# KiCad board 6502-ACE.kicad_pcb (continued)
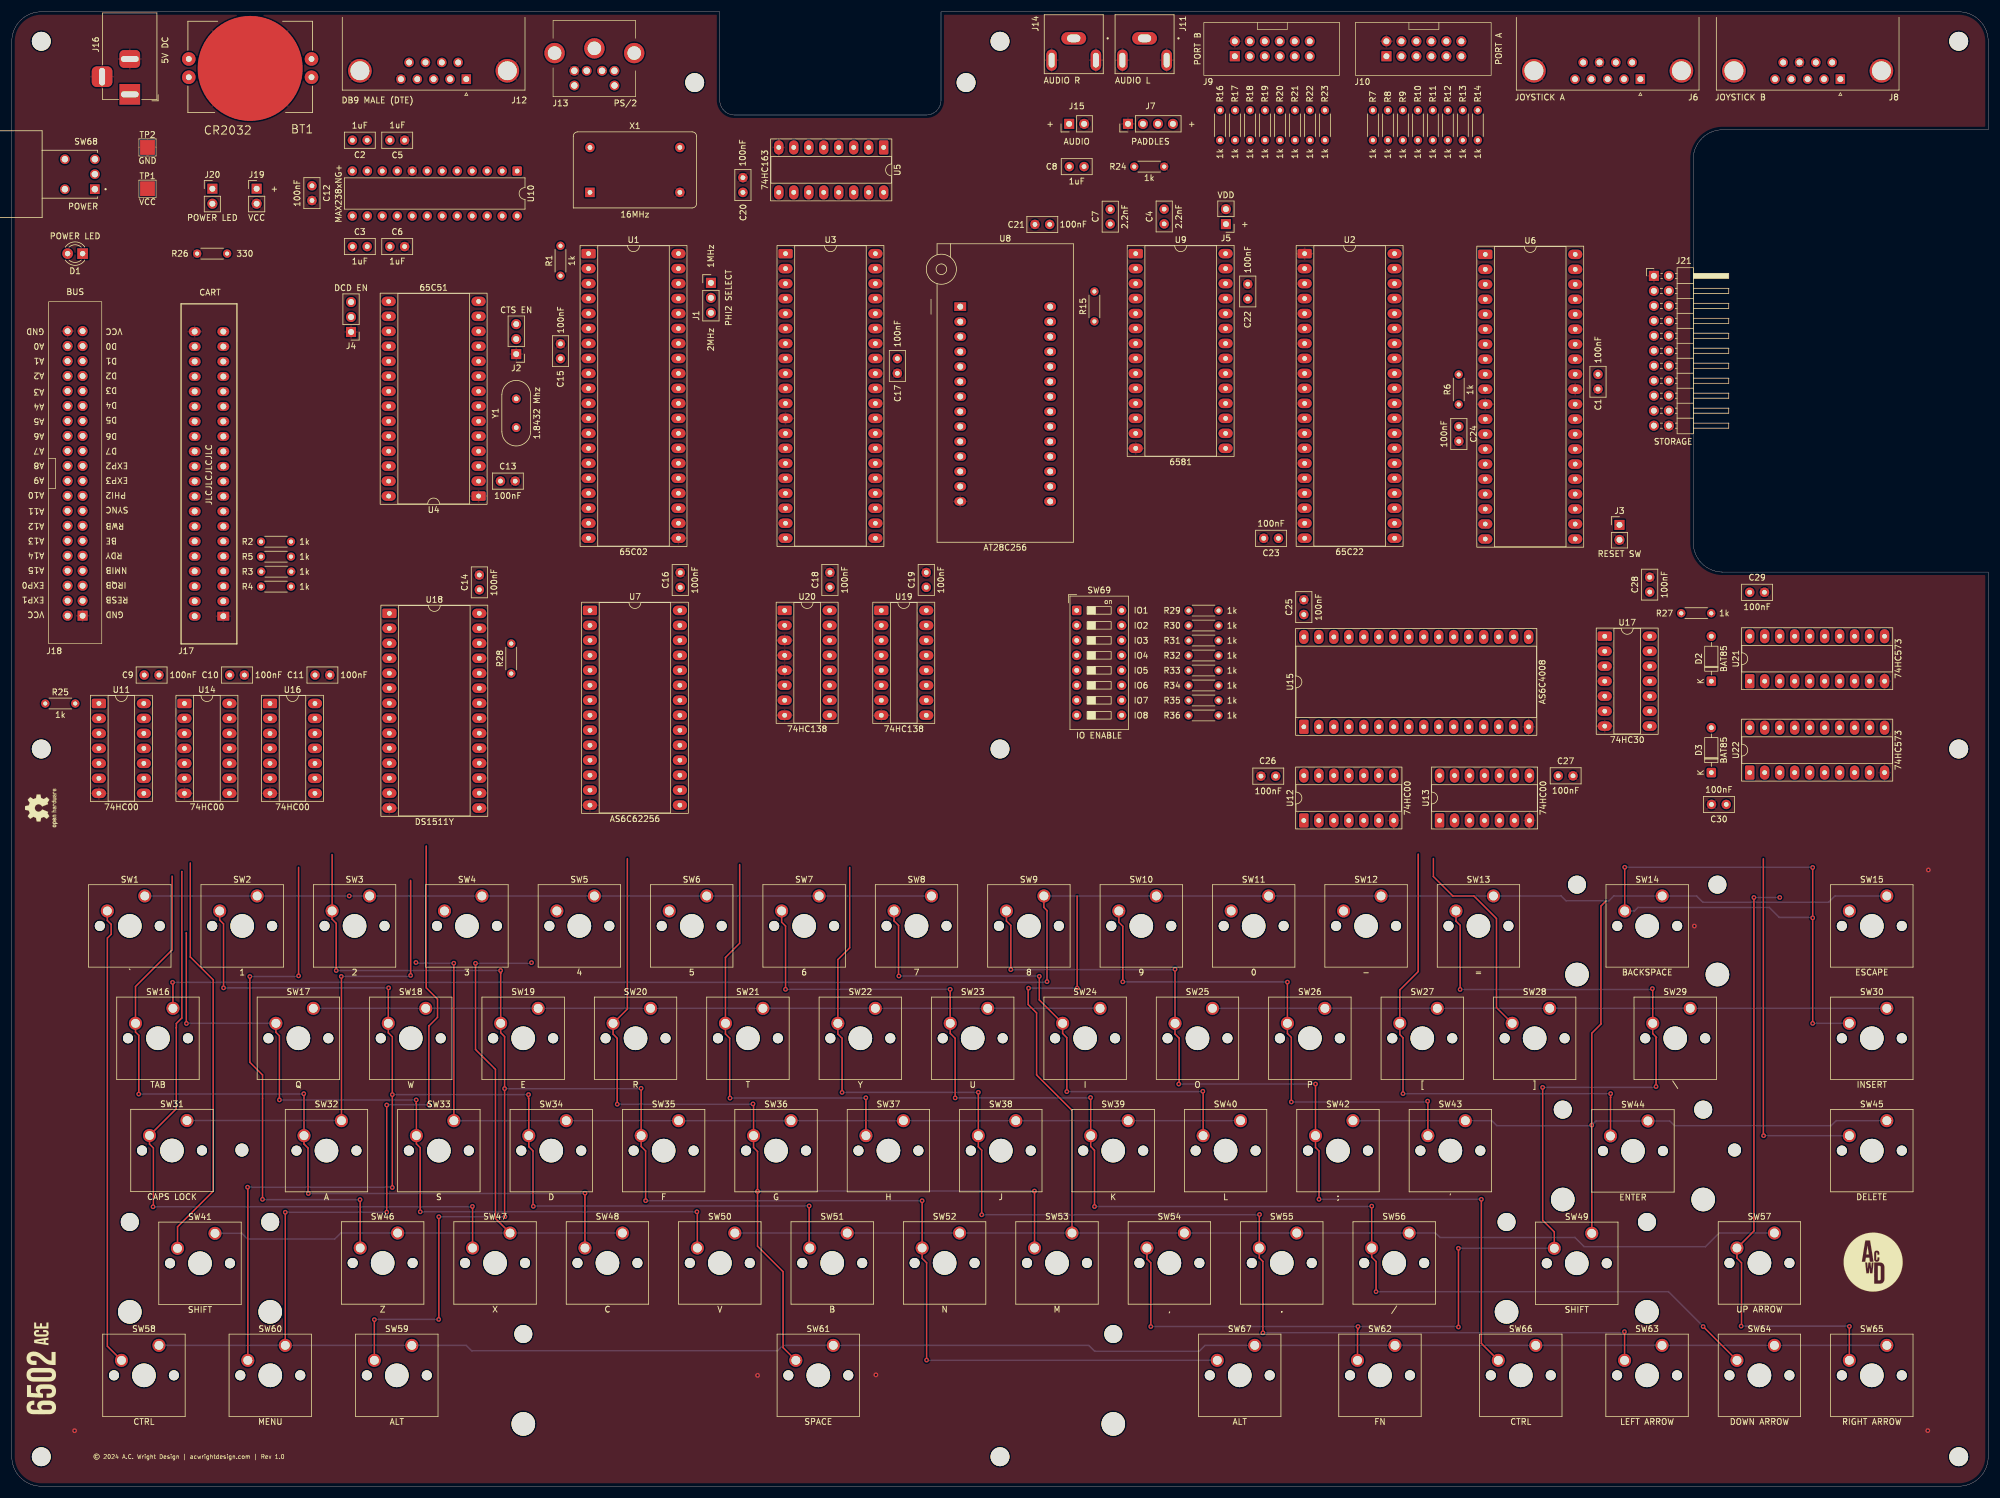
[diagram p0: board, top side]
## Footprints (pads in the part's own frame, mm; a bottom-side part is the same pattern mirrored in y, then rotated)
6502 Bus Connector
  rect 1.7x1.7 hole 1: 1(0,0)
  oval 1.7x1.7 hole 1: 2(2.54,0) 3(0,-2.54) 4(2.54,-2.54) 5(0,-5.08) 6(2.54,-5.08) 7(0,-7.62) 8(2.54,-7.62) 9(0,-10.16) 10(2.54,-10.16) 11(0,-12.7) 12(2.54,-12.7) 13(0,-15.24) 14(2.54,-15.24) 15(0,-17.78) 16(2.54,-17.78) 17(0,-20.32) 18(2.54,-20.32) 19(0,-22.86) 20(2.54,-22.86) 21(0,-25.4) 22(2.54,-25.4) 23(0,-27.94) 24(2.54,-27.94) 25(0,-30.48) 26(2.54,-30.48) 27(0,-33.02) 28(2.54,-33.02) 29(0,-35.56) 30(2.54,-35.56) 31(0,-38.1) 32(2.54,-38.1) 33(0,-40.64) 34(2.54,-40.64) 35(0,-43.18) 36(2.54,-43.18) 37(0,-45.72) 38(2.54,-45.72) 39(0,-48.26) 40(2.54,-48.26)
6502 GPIO Connector
  rect 1.7x1.7 hole 1: 1(0,0)
  oval 1.7x1.7 hole 1: 2(2.54,0) 3(0,-2.54) 4(2.54,-2.54) 5(0,-5.08) 6(2.54,-5.08) 7(0,-7.62) 8(2.54,-7.62) 9(0,-10.16) 10(2.54,-10.16) 11(0,-12.7) 12(2.54,-12.7)
BarrelJack_Horizontal
  rect 3.5x3.5 hole 1x3: 1(0,0)
  rrect 3x3.5 hole 1x3: 2(-6,0)
  rrect 3.5x3.5 hole 3x1: 3(-3,-4.7)
BAT_BAT-HLD-001-THM
  round 2.3 hole 1: 1(-10.4,1.5) 1(-10.4,-1.6) 1(10.4,1.5) 1(10.4,-1.6)
  round 17.8 smd: 2(0,0)
C_Disc_D5.0mm_W2.5mm_P2.50mm
  round 1.6 hole 0.8: 1(0,0) 2(2.5,0)
Crystal_HC49-U_Vertical
  round 1.5 hole 0.8: 1(0,0) 2(4.88,0)
D_DO-35_SOD27_P7.62mm_Horizontal
  rrect 1.6x1.6 hole 0.8: 1(0,0)
  round 1.6 hole 0.8: 2(7.62,0)
DIP-14_W7.62mm_Socket_LongPads
  rrect 2.4x1.6 hole 0.8: 1(0,0)
  oval 2.4x1.6 hole 0.8: 2(0,-2.54) 3(0,-5.08) 4(0,-7.62) 5(0,-10.16) 6(0,-12.7) 7(0,-15.24) 8(7.62,-15.24) 9(7.62,-12.7) 10(7.62,-10.16) 11(7.62,-7.62) 12(7.62,-5.08) 13(7.62,-2.54) 14(7.62,0)
DIP-16_W7.62mm_Socket_LongPads
  rrect 2.4x1.6 hole 0.8: 1(0,0)
  oval 2.4x1.6 hole 0.8: 2(0,-2.54) 3(0,-5.08) 4(0,-7.62) 5(0,-10.16) 6(0,-12.7) 7(0,-15.24) 8(0,-17.78) 9(7.62,-17.78) 10(7.62,-15.24) 11(7.62,-12.7) 12(7.62,-10.16) 13(7.62,-7.62) 14(7.62,-5.08) 15(7.62,-2.54) 16(7.62,0)
DIP-20_W7.62mm_Socket_LongPads
  rrect 2.4x1.6 hole 0.8: 1(0,0)
  oval 2.4x1.6 hole 0.8: 2(0,-2.54) 3(0,-5.08) 4(0,-7.62) 5(0,-10.16) 6(0,-12.7) 7(0,-15.24) 8(0,-17.78) 9(0,-20.32) 10(0,-22.86) 11(7.62,-22.86) 12(7.62,-20.32) 13(7.62,-17.78) 14(7.62,-15.24) 15(7.62,-12.7) 16(7.62,-10.16) 17(7.62,-7.62) 18(7.62,-5.08) 19(7.62,-2.54) 20(7.62,0)
DIP-24_W7.62mm
  rrect 1.6x1.6 hole 0.8: 1(0,0)
  round 1.6 hole 0.8: 2(0,-2.54) 3(0,-5.08) 4(0,-7.62) 5(0,-10.16) 6(0,-12.7) 7(0,-15.24) 8(0,-17.78) 9(0,-20.32) 10(0,-22.86) 11(0,-25.4) 12(0,-27.94) 13(7.62,-27.94) 14(7.62,-25.4) 15(7.62,-22.86) 16(7.62,-20.32) 17(7.62,-17.78) 18(7.62,-15.24) 19(7.62,-12.7) 20(7.62,-10.16) 21(7.62,-7.62) 22(7.62,-5.08) 23(7.62,-2.54) 24(7.62,0)
DIP-28_W15.24mm_Socket_LongPads
  rrect 2.4x1.6 hole 0.8: 1(0,0)
  oval 2.4x1.6 hole 0.8: 2(0,-2.54) 3(0,-5.08) 4(0,-7.62) 5(0,-10.16) 6(0,-12.7) 7(0,-15.24) 8(0,-17.78) 9(0,-20.32) 10(0,-22.86) 11(0,-25.4) 12(0,-27.94) 13(0,-30.48) 14(0,-33.02) 15(15.24,-33.02) 16(15.24,-30.48) 17(15.24,-27.94) 18(15.24,-25.4) 19(15.24,-22.86) 20(15.24,-20.32) 21(15.24,-17.78) 22(15.24,-15.24) 23(15.24,-12.7) 24(15.24,-10.16) 25(15.24,-7.62) 26(15.24,-5.08) 27(15.24,-2.54) 28(15.24,0)
DIP-32_W15.24mm_Socket_LongPads
  rrect 2.4x1.6 hole 0.8: 1(0,0)
  oval 2.4x1.6 hole 0.8: 2(0,-2.54) 3(0,-5.08) 4(0,-7.62) 5(0,-10.16) 6(0,-12.7) 7(0,-15.24) 8(0,-17.78) 9(0,-20.32) 10(0,-22.86) 11(0,-25.4) 12(0,-27.94) 13(0,-30.48) 14(0,-33.02) 15(0,-35.56) 16(0,-38.1) 17(15.24,-38.1) 18(15.24,-35.56) 19(15.24,-33.02) 20(15.24,-30.48) 21(15.24,-27.94) 22(15.24,-25.4) 23(15.24,-22.86) 24(15.24,-20.32) 25(15.24,-17.78) 26(15.24,-15.24) 27(15.24,-12.7) 28(15.24,-10.16) 29(15.24,-7.62) 30(15.24,-5.08) 31(15.24,-2.54) 32(15.24,0)
DIP-40_W15.24mm_Socket_LongPads
  rrect 2.4x1.6 hole 0.8: 1(0,0)
  oval 2.4x1.6 hole 0.8: 2(0,-2.54) 3(0,-5.08) 4(0,-7.62) 5(0,-10.16) 6(0,-12.7) 7(0,-15.24) 8(0,-17.78) 9(0,-20.32) 10(0,-22.86) 11(0,-25.4) 12(0,-27.94) 13(0,-30.48) 14(0,-33.02) 15(0,-35.56) 16(0,-38.1) 17(0,-40.64) 18(0,-43.18) 19(0,-45.72) 20(0,-48.26) 21(15.24,-48.26) 22(15.24,-45.72) 23(15.24,-43.18) 24(15.24,-40.64) 25(15.24,-38.1) 26(15.24,-35.56) 27(15.24,-33.02) 28(15.24,-30.48) 29(15.24,-27.94) 30(15.24,-25.4) 31(15.24,-22.86) 32(15.24,-20.32) 33(15.24,-17.78) 34(15.24,-15.24) 35(15.24,-12.7) 36(15.24,-10.16) 37(15.24,-7.62) 38(15.24,-5.08) 39(15.24,-2.54) 40(15.24,0)
DIP_Socket-28_W11.9mm_W12.7mm_W15.24mm_W17.78mm_W18.5mm_3M_228-1277-00-0602J
  rect 2x1.44 hole 1: 1(0,0)
  oval 2x1.44 hole 1: 2(0,-2.54) 3(0,-5.08) 4(0,-7.62) 5(0,-10.16) 6(0,-12.7) 7(0,-15.24) 8(0,-17.78) 9(0,-20.32) 10(0,-22.86) 11(0,-25.4) 12(0,-27.94) 13(0,-30.48) 14(0,-33.02) 15(15.24,-33.02) 16(15.24,-30.48) 17(15.24,-27.94) 18(15.24,-25.4) 19(15.24,-22.86) 20(15.24,-20.32) 21(15.24,-17.78) 22(15.24,-15.24) 23(15.24,-12.7) 24(15.24,-10.16) 25(15.24,-7.62) 26(15.24,-5.08) 27(15.24,-2.54) 28(15.24,0)
DSUB-9_Pins_Horizontal_P2.77x2.84mm_EdgePinOffset7.70mm_Housed_MountingHolesOffset9.12mm
  rect 1.6x1.6 hole 1: 1(0,0)
  round 1.6 hole 1: 2(2.77,0) 3(5.54,0) 4(8.31,0) 5(11.08,0) 6(1.385,-2.84) 7(4.155,-2.84) 8(6.925,-2.84) 9(9.695,-2.84)
  round 4 hole 3.2: SH(-6.96,-1.42) SH(18.04,-1.42)
KMDGX-6S-BS
  round 1.65 hole 1.1: 1(0,0) 2(2.6,0) 3(-2.1,0) 4(4.7,0) 5(-2.1,-2.5) 6(4.7,-2.5)
  round 3.45 hole 2.3: MH1(-5.45,3) MH2(1.3,3.8) MH3(8.05,3)
LED_D3.0mm
  rect 1.8x1.8 hole 0.9: 1(0,0)
  round 1.8 hole 0.9: 2(2.54,0)
MountingHole_2.2mm_M2
  round 2.2 hole 2.2 unplated: (0,0)
MountingHole_3.2mm_M3
  round 3.2 hole 3.2 unplated: (0,0)
Oscillator_DIP-14
  rect 1.6x1.6 hole 0.8: 1(0,0)
  round 1.6 hole 0.8: 7(15.24,0) 8(15.24,7.62) 14(0,7.62)
PinHeader_1x02_P2.54mm_Vertical
  rect 1.7x1.7 hole 1: 1(0,0)
  round 1.7 hole 1: 2(0,-2.54)
PinHeader_1x03_P2.54mm_Vertical
  rect 1.7x1.7 hole 1: 1(0,0)
  round 1.7 hole 1: 2(0,-2.54) 3(0,-5.08)
PinHeader_1x04_P2.54mm_Vertical
  rect 1.7x1.7 hole 1: 1(0,0)
  round 1.7 hole 1: 2(0,-2.54) 3(0,-5.08) 4(0,-7.62)
PinHeader_2x11_P2.54mm_Horizontal
  rect 1.7x1.7 hole 1: 1(0,0)
  round 1.7 hole 1: 2(2.54,0) 3(0,-2.54) 4(2.54,-2.54) 5(0,-5.08) 6(2.54,-5.08) 7(0,-7.62) 8(2.54,-7.62) 9(0,-10.16) 10(2.54,-10.16) 11(0,-12.7) 12(2.54,-12.7) 13(0,-15.24) 14(2.54,-15.24) 15(0,-17.78) 16(2.54,-17.78) 17(0,-20.32) 18(2.54,-20.32) 19(0,-22.86) 20(2.54,-22.86) 21(0,-25.4) 22(2.54,-25.4)
R_Axial_DIN0204_L3.6mm_D1.6mm_P5.08mm_Horizontal
  round 1.4 hole 0.7: 1(0,0) 2(5.08,0)
RHDR40W82P485X254_2X20_5740X93
  rect 1.5x2 hole 1: 1(0,0)
  oval 1.5x2 hole 1: 2(0,4.851) 3(2.54,0) 4(2.54,4.851) 5(5.08,0) 6(5.08,4.851) 7(7.62,0) 8(7.62,4.851) 9(10.16,0) 10(10.16,4.851) 11(12.7,0) 12(12.7,4.851) 13(15.24,0) 14(15.24,4.851) 15(17.78,0) 16(17.78,4.851) 17(20.32,0) 18(20.32,4.851) 19(22.86,0) 20(22.86,4.851) 21(25.4,0) 22(25.4,4.851) 23(27.94,0) 24(27.94,4.851) 25(30.48,0) 26(30.48,4.851) 27(33.02,0) 28(33.02,4.851) 29(35.56,0) 30(35.56,4.851) 31(38.1,0) 32(38.1,4.851) 33(40.64,0) 34(40.64,4.851) 35(43.18,0) 36(43.18,4.851) 37(45.72,0) 38(45.72,4.851) 39(48.26,0) 40(48.26,4.851)
SW_400MSP1R6BLKM6QE
  rect 1.635x1.635 hole 1.09: 1(0,-2.54)
  round 1.635 hole 1.09: 2(0,0) 3(0,2.54) S1(-5.08,-2.54) S2(-5.08,2.54)
SW_Cherry_MX_1.00u_PCB
  round 1.7 hole 1.7 unplated: (-7.62,-5.08) (2.54,-5.08)
  round 4 hole 4 unplated: (-2.54,-5.08)
  round 2.2 hole 1.5: 1(0,0) 2(-6.35,-2.54)
SW_Cherry_MX_1.25u_PCB
  round 1.7 hole 1.7 unplated: (-7.62,-5.08) (2.54,-5.08)
  round 4 hole 4 unplated: (-2.54,-5.08)
  round 2.2 hole 1.5: 1(0,0) 2(-6.35,-2.54)
SW_Cherry_MX_1.50u_PCB
  round 1.7 hole 1.7 unplated: (-7.62,-5.08) (2.54,-5.08)
  round 4 hole 4 unplated: (-2.54,-5.08)
  round 2.2 hole 1.5: 1(0,0) 2(-6.35,-2.54)
SW_Cherry_MX_1.75u_PCB
  round 1.7 hole 1.7 unplated: (-7.62,-5.08) (2.54,-5.08)
  round 4 hole 4 unplated: (-2.54,-5.08)
  round 2.2 hole 1.5: 1(0,0) 2(-6.35,-2.54)
SW_Cherry_MX_2.00u_PCB
  round 3.05 hole 3.05 unplated: (-14.44,1.92) (9.36,1.92)
  round 4 hole 4 unplated: (-14.44,-13.32) (-2.54,-5.08) (9.36,-13.32)
  round 1.7 hole 1.7 unplated: (-7.62,-5.08) (2.54,-5.08)
  round 2.2 hole 1.5: 1(0,0) 2(-6.35,-2.54)
SW_Cherry_MX_2.25u_PCB
  round 3.05 hole 3.05 unplated: (-14.44,1.92) (9.36,1.92)
  round 4 hole 4 unplated: (-14.44,-13.32) (-2.54,-5.08) (9.36,-13.32)
  round 1.7 hole 1.7 unplated: (-7.62,-5.08) (2.54,-5.08)
  round 2.2 hole 1.5: 1(0,0) 2(-6.35,-2.54)
SW_Cherry_MX_6.25u_PCB
  round 3.05 hole 3.05 unplated: (-52.54,1.92) (47.46,1.92)
  round 4 hole 4 unplated: (-52.54,-13.32) (-2.54,-5.08) (47.46,-13.32)
  round 1.7 hole 1.7 unplated: (-7.62,-5.08) (2.54,-5.08)
  round 2.2 hole 1.5: 1(0,0) 2(-6.35,-2.54)
SW_DIP_SPSTx08_Slide_9.78x22.5mm_W7.62mm_P2.54mm
  rrect 1.6x1.6 hole 0.8: 1(0,0)
  round 1.6 hole 0.8: 2(0,-2.54) 3(0,-5.08) 4(0,-7.62) 5(0,-10.16) 6(0,-12.7) 7(0,-15.24) 8(0,-17.78) 9(7.62,-17.78) 10(7.62,-15.24) 11(7.62,-12.7) 12(7.62,-10.16) 13(7.62,-7.62) 14(7.62,-5.08) 15(7.62,-2.54) 16(7.62,0)
SWITCHCRAFT_PJRAN1X1U0XX
  oval 4.2x2.1 hole 2.25x1.3: 1(0,0)
  oval 1.8x3.6 hole 1x2.5: 2(-3.75,3.7) 2(3.75,3.7)
TestPoint_Pad_2.5x2.5mm
  rect 2.5x2.5 smd: 1(0,0)

## Nets
GND: BT1.2 C1.1 C5.2 C6.2 C9.2 C10.2 C11.2 C12.2 C13.2 C14.2 C15.2 C16.2 C17.2 C18.2 C19.2 C20.2 C21.2 C22.2 C23.2 C24.2 C25.2 C26.2 C27.2 C28.2 C29.2 C30.2 J2.1 J3.2 J4.1 J5.2 J6.8 J6.SH J7.1 J8.8 J8.SH J9.2 J10.2 J11.2 J12.5 J12.SH J13.3 J14.2 J15.2 J16.2 J16.3 J17.1 J17.40 J18.1 J18.40 J19.2 J21.1 J21.22 R24.2 R26.2 TP2.1 U1.21 U2.1 U3.12 U4.1 U5.8 U6.11 U6.31 U7.14 U8.14 U9.14 U10.8 U11.7 U12.7 U13.7 U14.7 U15.16 U16.7 U17.7 U18.14 U19.8 U20.3 U20.4 U20.5 U20.8 U21.10 U22.10 X1.7
VCC: C9.1 C10.1 C11.1 C12.1 C13.1 C14.1 C15.1 C16.1 C17.1 C18.1 C19.1 C20.1 C21.1 C22.1 C23.1 C24.1 C25.1 C26.1 C27.1 C28.1 C29.1 C30.1 D1.2 J7.4 J9.1 J10.1 J13.4 J17.2 J17.39 J18.2 J18.39 J19.1 J20.1 J21.2 J21.21 R1.2 R2.2 R3.2 R4.2 R5.2 R6.1 R7.2 R8.2 R9.2 R10.2 R11.2 R12.2 R13.2 R14.2 R15.2 R16.2 R17.2 R18.2 R19.2 R20.2 R21.2 R22.2 R23.2 R25.1 R27.1 R29.2 R30.2 R31.2 R32.2 R33.2 R34.2 R35.2 R36.2 SW68.1 TP1.1 U1.8 U2.20 U2.24 U3.33 U4.2 U4.15 U5.1 U5.3 U5.4 U5.5 U5.6 U5.7 U5.9 U5.10 U5.16 U6.10 U6.30 U7.28 U8.28 U9.25 U10.9 U11.14 U12.14 U13.14 U14.14 U15.32 U16.14 U17.14 U18.28 U19.16 U20.16 U21.20 U22.20 X1.14
/$8C00: SW69.4 U19.12
/$9C00: SW69.8 U19.7
/$8000: SW69.1 U19.15
/$8400: SW69.2 U19.14
/$8800: SW69.3 U19.13
/$9000: SW69.5 U19.11
/$9400: SW69.6 U19.10
/$9800: SW69.7 U19.9
A0: J17.38 J18.38 J21.20 U1.9 U2.38 U3.13 U4.13 U7.10 U8.10 U9.9 U15.12 U17.12 U18.10
A1: J17.36 J18.36 J21.18 U1.10 U2.37 U3.11 U4.14 U7.9 U8.9 U9.10 U15.11 U17.11 U18.9
A2: J17.34 J18.34 J21.16 U1.11 U2.36 U7.8 U8.8 U9.11 U15.10 U17.6 U18.8
A3: J17.32 J18.32 U1.12 U2.35 U7.7 U8.7 U9.12 U15.9 U17.5 U18.7
A4: J17.30 J18.30 U1.13 U7.6 U8.6 U9.13 U15.8 U17.4 U18.6
A5: J17.28 J18.28 U1.14 U7.5 U8.5 U15.7 U17.3
A6: J17.26 J18.26 U1.15 U7.4 U8.4 U15.6 U17.2
A7: J17.24 J18.24 U1.16 U7.3 U8.3 U15.5 U17.1
A8: J17.22 J18.22 U1.17 U7.25 U8.25 U12.2 U15.27
A9: J17.20 J18.20 U1.18 U7.24 U8.24 U12.1 U15.26
A10: J17.18 J18.18 U1.19 U7.21 U8.21 U19.1
A11: J17.16 J18.16 U1.20 U7.23 U8.23 U19.2
A12: J17.14 J18.14 U1.22 U7.2 U8.2 U19.3
A13: J17.12 J18.12 U1.23 U7.26 U8.26 U16.5 U19.4
A14: J17.10 J18.10 U1.24 U7.1 U8.1 U11.2 U16.1 U16.2 U19.5
A15: J17.8 J18.8 U1.25 U7.20 U11.9 U16.12 U19.6
B10: U15.23 U21.19 U22.19
B11: U15.25 U21.18 U22.18
B12: U15.4 U21.17 U22.17
B13: U15.28 U21.16 U22.16
B14: U15.3 U21.15 U22.15
B15: U15.31 U21.14 U22.14
B16: U15.2 U21.13 U22.13
B17: U15.30 U21.12 U22.12
B18: U12.11 U13.5 U15.1
BE: J17.11 J18.11 R2.1 U1.36
CA1: J10.11 U2.40 U6.14
CA2: J10.12 U2.39 U6.15
CB1: J9.11 U2.18 U6.18
CB2: J9.12 U2.19 U6.19
CSRB: U3.15 U20.14
CSWB: U3.14 U20.15
CTS: J12.8 U10.3
CTSIN: J2.3 U10.4
D0: J17.37 J18.37 J21.19 U1.33 U2.33 U3.17 U4.18 U7.11 U8.11 U9.15 U15.13 U18.11 U21.9 U22.9
D1: J17.35 J18.35 J21.17 U1.32 U2.32 U3.18 U4.19 U7.12 U8.12 U9.16 U15.14 U18.12 U21.8 U22.8
D2: J17.33 J18.33 J21.15 U1.31 U2.31 U3.19 U4.20 U7.13 U8.13 U9.17 U15.15 U18.13 U21.7 U22.7
D3: J17.31 J18.31 J21.13 U1.30 U2.30 U3.20 U4.21 U7.15 U8.15 U9.18 U15.17 U18.15 U21.6 U22.6
D4: J17.29 J18.29 J21.11 U1.29 U2.29 U3.21 U4.22 U7.16 U8.16 U9.19 U15.18 U18.16 U21.5 U22.5
D5: J17.27 J18.27 J21.9 U1.28 U2.28 U3.22 U4.23 U7.17 U8.17 U9.20 U15.19 U18.17 U21.4 U22.4
D6: J17.25 J18.25 J21.7 U1.27 U2.27 U3.23 U4.24 U7.18 U8.18 U9.21 U15.20 U18.18 U21.3 U22.3
D7: J17.23 J18.23 J21.5 U1.26 U2.26 U3.24 U4.25 U7.19 U8.19 U9.22 U15.21 U18.19 U21.2 U22.2
DCD: J12.1 U10.16
DCDIN: J4.3 U10.17
DSR: J12.6 U10.23
DSRIN: U4.17 U10.22
DTR: J12.4 U10.24
DTROUT: U4.11 U10.19
EXP2: J17.21 J18.21 U6.25
EXP3: J17.19 J18.19 U6.26
HRDB: J17.4 J17.6 J18.4 J18.6 R25.2 U6.27 U11.1
IO1B: D2.1 R29.1 SW69.16 U12.9 U12.10 U21.1
IO2B: D3.1 R30.1 SW69.15 U12.12 U12.13 U22.1
IO3B: R31.1 SW69.14 U18.20
IO4B: J21.14 R32.1 SW69.13
IO5B: R33.1 SW69.12 U4.3
IO6B: R34.1 SW69.11 U2.23
IO7B: R35.1 SW69.10 U9.8
IO8B: R36.1 SW69.9 U20.2
IRQB: J17.5 J18.5 R4.1 U1.4 U2.21 U3.16 U4.26 U6.28 U18.5
LOADH: U13.11 U22.11
LOADL: U13.8 U21.11
NEXTB: J21.4 U6.24
NMIB: J17.7 J18.7 R3.1 U1.6 U6.29
PA0: J6.6 J10.4 R7.1 SW1.1 SW2.1 SW3.1 SW4.1 SW5.1 SW6.1 SW7.1 SW8.1 U2.2 U6.40
PA1: J6.7 J10.6 R8.1 SW9.1 SW10.1 SW11.1 SW12.1 SW13.1 SW14.1 SW15.1 SW16.1 U2.3 U6.39
PA2: J6.9 J10.8 R9.1 SW17.1 SW18.1 SW19.1 SW20.1 SW21.1 SW22.1 SW23.1 SW24.1 U2.4 U6.38
PA3: J6.5 J10.10 R10.1 SW25.1 SW26.1 SW27.1 SW28.1 SW29.1 SW30.1 SW31.1 SW32.1 U2.5 U6.37
PA4: J6.1 J10.9 R11.1 SW33.1 SW34.1 SW35.1 SW36.1 SW37.1 SW38.1 SW39.1 SW40.1 U2.6 U6.36
PA5: J6.2 J10.7 R12.1 SW41.1 SW42.1 SW43.1 SW44.1 SW45.1 SW46.1 SW47.1 SW48.1 SW49.1 U2.7 U6.35
PA6: J6.3 J10.5 R13.1 SW50.1 SW51.1 SW52.1 SW53.1 SW54.1 SW55.1 SW56.1 SW57.1 U2.8 U6.34
PA7: J6.4 J10.3 R14.1 SW58.1 SW59.1 SW60.1 SW61.1 SW62.1 SW63.1 SW64.1 SW65.1 SW66.1 SW67.1 U2.9 U6.33
PB0: J8.6 J9.4 R16.1 SW1.2 SW9.2 SW17.2 SW25.2 SW33.2 SW42.2 SW50.2 SW58.2 SW66.2 U2.10 U6.1
PB1: J8.7 J9.6 R17.1 SW2.2 SW10.2 SW18.2 SW26.2 SW34.2 SW43.2 SW51.2 SW60.2 U2.11 U6.2
PB2: J8.9 J9.8 R18.1 SW3.2 SW11.2 SW19.2 SW27.2 SW35.2 SW44.2 SW52.2 SW59.2 SW67.2 U2.12 U6.3
PB3: J8.5 J9.10 R19.1 SW4.2 SW12.2 SW20.2 SW28.2 SW36.2 SW45.2 SW53.2 SW61.2 U2.13 U6.4
PB4: J8.1 J9.9 R20.1 SW5.2 SW13.2 SW21.2 SW29.2 SW37.2 SW41.2 SW49.2 SW54.2 SW62.2 U2.14 U6.5
PB5: J8.2 J9.7 R21.1 SW6.2 SW14.2 SW22.2 SW30.2 SW38.2 SW46.2 SW55.2 SW63.2 U2.15 U6.6
PB6: J8.3 J9.5 R22.1 SW7.2 SW15.2 SW23.2 SW31.2 SW39.2 SW47.2 SW56.2 SW64.2 U2.16 U6.7
PB7: J8.4 J9.3 R23.1 SW8.2 SW16.2 SW24.2 SW32.2 SW40.2 SW48.2 SW57.2 SW65.2 U2.17 U6.8
PHI2: J1.2 J17.17 J18.17 U1.37 U2.25 U4.27 U14.10 U14.12 U20.6
PHI2_1MHZ: J1.1 U5.11 U9.6
PHI2_2MHZ: J1.3 U5.12
PHI2_16MHZ: U5.2 U6.13 X1.8
PREVB: J21.3 U6.23
PS2CLK: J13.5 U6.16
PS2DATA: J13.1 U6.17
RB: J21.10 U7.22 U8.22 U14.8 U15.24 U18.22
RDY: J17.9 J18.9 J21.8 R5.1 U1.2
REB: U8.20 U14.3
RESB: J17.3 J18.3 J21.6 U1.40 U2.34 U3.34 U4.4 U6.21 U9.5 U18.4
RTS: J12.7 U10.1
RTSOUT: U4.8 U10.18
RWB: J17.13 J18.13 U1.34 U2.22 U4.28 U9.7 U14.4 U14.5 U14.9 U20.1
RXD: J12.2 U10.7
RXDIN: U4.12 U10.6
SOB: R1.1 U1.38
SQW: U6.20 U18.23
SYNC: J17.15 J18.15 U1.7
TXD: J12.3 U10.2
TXDOUT: U4.10 U10.5
WB: J21.12 U7.27 U13.10 U13.13 U14.11 U15.29 U18.27
Net-(BT1-+): BT1.1 R28.2 U18.26
Net-(D1-K): D1.1 J20.2 R26.1
Net-(D2-A): D2.2 D3.2 R27.2 U15.22
Net-(J2-Pin_2): J2.2 U4.9
Net-(J3-Pin_1): J3.1 U6.22
Net-(J4-Pin_2): J4.2 U4.16
Net-(J5-Pin_1): J5.1 U9.28
Net-(J7-Pin_2): J7.2 U9.23
Net-(J7-Pin_3): J7.3 U9.24
Net-(J11-In): C8.2 J11.1 J14.1 J15.1
Net-(SW68-B): J16.1 SW68.2
Net-(U4-XTALI): U4.6 Y1.1
Net-(U4-XTALO): U4.7 Y1.2
Net-(U6-AREF): C1.2 U6.32
Net-(U6-~{RESET}): R6.2 U6.9
Net-(U8-~{WE}): R15.1 U8.27
Net-(U9-CAP1A): C4.2 U9.1
Net-(U9-CAP1B): C4.1 U9.2
Net-(U9-CAP2A): C7.2 U9.3
Net-(U9-CAP2B): C7.1 U9.4
Net-(U9-OUT): C8.1 R24.1 U9.27
Net-(U10-C1+): C2.1 U10.10
Net-(U10-C1-): C2.2 U10.12
Net-(U10-C2+): C3.1 U10.13
Net-(U10-C2-): C3.2 U10.14
Net-(U10-VS+): C5.1 U10.11
Net-(U10-VS-): C6.1 U10.15
Net-(U11-Pad3): U11.3 U11.4 U11.5
Net-(U11-Pad10): U11.6 U11.10
Net-(U11-Pad11): U11.11 U14.1 U14.2
Net-(U11-Pad12): U11.8 U11.12
Net-(U11-Pad13): U11.13 U16.11
Net-(U12-Pad3): U12.3 U12.4
Net-(U12-Pad5): U12.5 U17.8
Net-(U12-Pad6): U12.6 U13.1 U13.4
Net-(U12-Pad8): U12.8 U13.2
Net-(U13-Pad3): U13.3 U13.9
Net-(U13-Pad12): U13.6 U13.12
Net-(U14-Pad13): U14.6 U14.13
Net-(U16-Pad3): U16.3 U16.4
Net-(U16-Pad10): U16.6 U16.9 U16.10
Net-(U16-Pad13): U16.8 U16.13
Net-(U18-KSB): R28.1 U18.24

Pads without a net: J12 9; J13 2 6 MH1 MH2 MH3; SW68 3 S1 S2; U1 1 3 5 35 39; U3 1 2 3 4 5 6 7 8 9 10 25 26 27 28 29 30 31 32 35 36 37 38 39 40; U4 5; U5 13 14 15; U6 12; U9 26; U10 20 21; U17 9 10 13; U18 1 2 3 21 25; U20 7 9 10 11 12 13; X1 1

## Via types
v1: diameter 0.8, hole 0.4, Top to Bottom, 109 vias

## Routing (per net, layer and track width the routed paths; a pad name or vN(x,y) marks a point on that pad's centre or on a via; arc(x,y) is an arc through that point)
GND:
  vias: v1(10.65,9.41) v1(126.41,18.79) v1(146.46,18.88) v1(285.2,94.98) v1(324.76,9.42) v1(324.86,104.49)
PA0: length 133.4
  Top w0.25: 57.23,100.11 v1(57.2,100.08)
  Bottom w0.25: SW1.1 v1(57.2,100.08) SW3.1 SW6.1 SW8.1
PA1: length 311.9
  Top w0.25: v1(27.25,85.43) 27.31,85.37 SW16.1 ; SW9.1 174.94,98.14 175.47,97.61 v1(175.47,85.56)
  Bottom w0.25: v1(27.25,85.43) 175.34,85.43 v1(175.47,85.56) ; SW15.1 309.02,100.08 307.96,99.02 286.63,99.02 285.57,100.08 SW14.1 ; 279.72,100.06 SW14.1 ; SW14.1 271.52,100.08 270.7,99.26 263.44,99.26 262.62,100.08 SW13.1 ; SW13.1 251.16,100.06 ; SW13.1 SW12.1 SW9.1
PA2: length 133.3
  Bottom w0.25: SW17.1 SW19.1 SW21.1 SW24.1
PA3: length 192.9
  Top w0.25: v1(67.6,86.61) 67.6,102.71 ; v1(55.84,86.44) 55.88,86.4 SW32.1
  Bottom w0.25: SW25.1 SW27.1 SW30.1 ; v1(55.84,86.44) 67.43,86.44 v1(67.6,86.61) ; SW32.1 55.85,62 SW31.1 29.72,61.98
PA4: length 166.5
  Top w0.25: v1(74.92,88.68) 74.93,88.67 SW33.1
  Bottom w0.25: SW33.1 SW38.1 SW40.1 ; v1(74.92,88.68) 68.62,88.68 v1(68.5,88.8)
PA5: length 277.1
  Top w0.25: SW47.1 81.98,45.4 81.98,70.67 78.6,74.05 v1(78.6,88.66) ; 270.19,99.21 269.36,98.38 269.36,78.48 269.42,78.42 267.8,76.8 v1(267.8,61.23) SW49.1
  Bottom w0.25: v1(78.6,88.66) 87.98,88.66 v1(88.09,88.77) ; 317.76,61.93 SW45.1 309.24,61.98 308.39,61.13 281.83,61.13 281.03,61.93 SW44.1 268.5,61.93 267.7,61.13 251.72,61.13 250.83,62.02 250.79,61.98 SW43.1 ; 103.45,42.88 SW48.1 SW46.1 55.75,42.93 54.73,41.91 39.96,41.91 38.95,42.92 38.91,42.88 SW41.1 ; SW43.1 246.43,61.93 ; SW43.1 SW42.1
PA6: length 246.7
  Top w0.25: v1(172.34,84.45) 172.28,84.39 172.28,81.67 173.7,80.25 173.7,69.74 179.7,63.74 SW53.1 ; 180.58,100.07 v1(180.58,84.45)
  Bottom w0.25: SW57.1 289.4,42.93 287.09,40.62 266.51,40.62 264.95,42.18 242.07,42.18 241.26,42.99 241.2,42.93 SW56.1 SW50.1 ; v1(172.34,84.45) v1(180.58,84.45)
PA7: length 404.8
  Top w0.25: 70.25,108.56 70.25,84.5 72.16,82.59 72.16,79.5 70.7,78.04 v1(70.7,64.69) ; v1(46.35,46.45) SW60.1 ; v1(63.55,64.64) v1(63.55,46.46)
  Bottom w0.25: SW58.1 SW59.1 77.02,23.88 77.94,22.96 129.79,22.96 130.71,23.88 SW61.1 182.54,23.88 183.53,22.89 201.26,22.89 202.25,23.88 SW67.1 SW66.1 SW65.1 ; v1(63.55,64.64) 63.6,64.69 v1(70.7,64.69) ; v1(46.35,46.45) 46.42,46.45 46.43,46.46 v1(63.55,46.46)
PB0: length 373.9
  Top w0.25: v1(197.8,68.19) 197.87,68.26 197.87,75.96 197.17,76.66 SW25.2 197.17,87.65 v1(197.17,87.65) ; v1(116.12,46.53) 116.2,46.45 SW50.2 ; v1(69.23,46.53) 69.23,57.4 68.58,58.05 SW33.2 68.58,64.87 68.55,64.9 v1(68.55,65.5) ; SW9.2 168.59,95.83 169.33,95.09 v1(169.33,87.59) ; 44.76,78.49 44.76,76.97 45.36,76.37 v1(45.36,65.5) ; v1(220.98,68.2) SW42.2 220.98,57.44 221.57,56.85 v1(221.57,48.65) ; SW66.2 249.09,24.21 v1(249.09,48.65) ; v1(29.6,78.46) 29.58,78.48 29.58,93.81 29.57,93.82 ; SW1.2 16.19,95.92 16.85,95.26 16.85,93.59 16.2,92.94 16.2,23.73 SW58.2
  Bottom w0.25: v1(169.33,87.59) 197.11,87.59 v1(197.17,87.65) ; v1(69.23,46.53) v1(116.12,46.53) ; v1(221.57,48.65) v1(249.09,48.65) ; v1(45.36,65.5) v1(68.55,65.5) ; 44.76,78.49 29.63,78.49 v1(29.6,78.46) ; v1(220.98,68.2) 220.97,68.19 v1(197.8,68.19)
PB1: length 315.6
  Top w0.25: v1(216.88,65.15) 216.88,76.1 216.21,76.76 SW26.2 v1(216.21,85.47) ; v1(188.31,85.52) 188.31,94.95 187.64,95.62 SW10.2 ; v1(63.87,84.5) 63.81,84.44 SW18.2 63.81,76.88 64.5,76.2 v1(64.5,66.4) v1(64.5,50.64) ; v1(39.96,50.7) 40,50.66 SW60.2 ; SW43.2 240.03,65.24 v1(239.98,65.29) ; SW2.2 35.24,96 35.89,95.35 v1(35.89,84.5) ; v1(88.4,47.46) 88.34,47.52 88.34,56.86 87.63,57.57 SW34.2 87.63,65.73 87.58,65.78 v1(87.58,66.4) ; SW51.2 135.15,40.49 v1(135.15,47.52)
  Bottom w0.25: v1(216.88,65.15) 239.84,65.15 v1(239.98,65.29) ; v1(216.21,85.47) 216.17,85.52 v1(188.31,85.52) ; v1(135.15,47.52) 88.46,47.52 v1(88.4,47.46) ; v1(35.89,84.5) v1(63.87,84.5) ; v1(64.5,50.64) 64.44,50.7 v1(39.96,50.7) ; v1(64.5,66.4) v1(87.58,66.4)
PB2: length 386.9
  Top w0.25: v1(154.3,48.41) SW52.2 154.3,38.64 155.06,37.88 v1(155.06,21.38) ; v1(83.59,45.69) 83.53,45.75 v1(83.53,67.41) 83.53,76.23 82.87,76.9 SW19.2 82.87,86.93 82.85,86.94 v1(82.85,87.44) ; v1(72.36,28.28) 72.36,28.45 72.38,28.47 v1(72.38,45.69) ; v1(107.43,48.41) 107.43,56.86 106.68,57.61 SW35.2 106.68,67.45 v1(106.66,67.47) ; 238.39,107.18 238.39,87.26 235.26,84.13 SW27.2 235.26,76.57 235.81,76.03 v1(235.81,66.56) ; SW44.2 270.98,65.91 271,65.93 v1(271,66.56) ; v1(61.45,28.25) SW59.2 ; v1(54.99,87.44) 54.99,95.44 54.29,96.14 SW3.2 54.29,107.09
  Bottom w0.25: v1(107.43,48.41) 154.18,48.41 154.18,48.41 v1(154.3,48.41) ; v1(61.45,28.25) 61.62,28.25 61.65,28.28 v1(72.36,28.28) ; v1(72.38,45.69) v1(83.59,45.69) ; SW67.2 155.1,21.34 v1(155.06,21.38) ; v1(54.99,87.44) v1(82.85,87.44) ; v1(83.53,67.41) 106.6,67.41 v1(106.66,67.47) ; v1(235.81,66.56) v1(271,66.56)
PB3: length 266.2
  Top w0.25: SW28.2 251.65,81.16 251.65,96.26 247.84,100.07 244.27,100.07 240.96,103.38 240.96,106.42 ; v1(296.93,59.43) 296.89,59.47 296.89,106.4 ; SW53.2 173.35,50.04 v1(173.34,50.05) ; SW61.2 130.73,23.5 130.73,36.37 126.4,40.7 v1(126.4,49.99) 126.4,56.76 125.73,57.43 SW36.2 125.73,64.73 v1(125.63,64.83) ; 104.34,106.41 104.34,80.91 SW20.2 101.91,76.66 102.62,75.95 v1(102.62,64.77)
  Bottom w0.25: v1(102.62,64.77) 125.57,64.77 v1(125.63,64.83) ; SW45.2 296.94,59.44 v1(296.93,59.43) ; v1(173.34,50.05) 126.46,50.05 v1(126.4,49.99)
PB4: length 351.5
  Top w0.25: SW37.2 144.78,65.85 v1(144.76,65.87) ; v1(245.49,84.23) 245.49,95.11 244.79,95.81 SW13.2 ; v1(245.21,26.99) 245.21,40.21 245.2,40.22 v1(245.2,40.34) ; v1(278.7,67.77) 278.7,76.03 278.77,76.1 278.14,76.73 SW29.2 278.14,84.3 v1(278.07,84.37) ; v1(228.18,27.07) 228.18,26.57 228.1,26.49 228.1,21.34 ; 123.37,105.4 123.37,92.06 120.97,89.66 SW21.2 120.97,76.69 121.68,75.97 121.68,65.87 v1(121.74,65.81) ; v1(193.06,27.07) 193.06,37.88 192.4,38.54 SW54.2 ; SW49.2 261.45,43.11 259.48,45.08 v1(259.48,67.62) ; 30.25,105.66 30.25,89.74 34.14,85.85 34.14,50.04 28.09,43.99 SW41.2
  Bottom w0.25: v1(245.49,84.23) 277.93,84.23 v1(278.07,84.37) ; v1(193.06,27.07) v1(228.18,27.07) 245.13,27.07 v1(245.21,26.99) ; v1(259.48,67.62) 278.55,67.62 v1(278.7,67.77) ; v1(245.2,40.34) SW49.2 ; v1(121.74,65.81) 144.7,65.81 v1(144.76,65.87)
PB5: length 412
  Top w0.25: v1(40.35,86.42) 40.35,71.88 42.5,69.73 v1(42.5,48.64) ; v1(163.83,66.79) SW38.2 163.83,57.54 164.4,56.97 v1(164.4,46.02) ; SW46.2 59.05,48.56 v1(59.02,48.59) ; SW63.2 273.37,26.18 v1(273.34,26.2) ; SW14.2 v1(273.39,104.95) ; 305.23,104.93 v1(305.25,104.91) v1(305.25,96.37) v1(305.25,78.48) ; v1(48.61,86.53) 48.61,104.93 ; v1(212.06,26.01) 212.06,38.1 211.45,38.71 SW55.2 211.45,46.03 v1(211.49,46.07) ; 142.02,104.91 142.02,91.29 140.01,89.28 SW22.2 140.01,76.68 140.73,75.96 v1(140.73,66.77)
  Bottom w0.25: v1(305.25,78.48) 305.91,78.48 305.92,78.49 SW30.2 ; v1(164.4,46.02) 211.44,46.02 v1(211.49,46.07) ; v1(305.25,96.37) 305.18,96.44 299.58,96.44 297.89,98.13 275.63,98.13 275.04,97.54 SW14.2 ; v1(42.5,48.64) 42.55,48.59 v1(59.02,48.59) ; v1(40.35,86.42) 48.5,86.42 v1(48.61,86.53) ; v1(273.34,26.2) 273.15,26.01 v1(212.06,26.01) ; v1(305.25,104.91) 305.21,104.95 v1(273.39,104.95) ; v1(163.83,66.79) 163.73,66.79 163.71,66.77 v1(140.73,66.77)
PB6: length 350.5
  Top w0.25: v1(182.85,65.9) 182.88,65.87 SW39.2 182.88,57.59 183.52,56.95 v1(183.52,47.42) ; v1(231.24,32.99) 231.24,38.1 230.5,38.84 SW56.2 230.5,47.48 v1(230.51,47.49) ; v1(159.9,65.84) 159.9,75.95 159.06,76.78 SW23.2 159.06,84.24 v1(159.05,84.25) ; SW47.2 78.1,47.41 v1(78.07,47.44) ; v1(131.15,84.25) 131.15,94.98 130.49,95.64 SW7.2 ; v1(23.94,47.38) 24,47.44 24,57.35 23.34,58.01 SW31.2 27.88,64 27.88,77.73 27.89,77.74 27.89,78.46 28.82,79.39 28.82,104.23 ; v1(286.68,27.07) 286.69,27.07 292.42,21.34
  Bottom w0.25: v1(231.24,32.99) 280.79,32.99 286.68,27.1 v1(286.68,27.07) ; v1(159.9,65.84) 182.79,65.84 v1(182.85,65.9) ; v1(183.52,47.42) 230.44,47.42 v1(230.51,47.49) ; v1(23.94,47.38) 78.01,47.38 v1(78.07,47.44) ; 28.82,104.23 28.89,104.16 ; v1(131.15,84.25) v1(159.05,84.25)
PB7: length 331.4
  Top w0.25: v1(295.29,99.82) 295.29,43.26 292.42,40.39 292.42,38.65 293.19,37.88 293.19,27.21 v1(293.12,27.14) ; v1(49.49,66.55) 49.53,66.51 SW32.2 49.53,58.02 50.21,57.34 50.21,49.68 v1(50.26,49.63) ; 27.17,103.44 27.17,90.93 20.97,84.72 SW16.2 20.97,77.01 21.52,76.46 v1(21.52,66.49) ; SW40.2 201.93,66.92 v1(201.88,66.97) ; SW8.2 149.54,95.85 150.3,95.09 150.3,86.57 v1(150.36,86.51) ; v1(178.82,66.91) 178.82,76.06 178.12,76.76 178.12,78.49 174.16,82.44 v1(174.16,86.45) ; v1(311.46,27.1) SW65.2 ; v1(97.15,49.68) SW48.2
  Bottom w0.25: v1(150.36,86.51) 174.1,86.51 v1(174.16,86.45) ; v1(21.52,66.49) 49.43,66.49 v1(49.49,66.55) ; v1(299.67,99.83) 299.47,99.83 299.46,99.82 v1(295.29,99.82) 295.12,99.82 295.09,99.79 ; v1(178.82,66.91) 201.82,66.91 v1(201.88,66.97) ; v1(50.26,49.63) 96.98,49.63 97.03,49.68 v1(97.15,49.68) ; v1(293.12,27.14) 311.28,27.14 311.32,27.1 v1(311.46,27.1)

## Copper pours and planes (outline as drawn; the poured copper is in the pictures)
GND on Top: 335,0 0,0 0,250 335,250
GND on Bottom: 335,0 0,0 0,250 335,250

## Text on the board
F.Silkscreen: © 2024 A.C. Wright Design | acwrightdesign.com | Rev 1.0 | IO1 | IO2 | IO3 | IO4 | IO5 | IO6 | IO7 | IO8 | + | 1MHz | JLCJLCJLCJLC | 2MHz | GND | A0 | A1 | A2 | A3 | A4 | A5 | A6 | A7 | A8 | A9 | A10 | A11 | A12 | A13 | A14 | A15 | EXP0 | EXP1 | VCC | D0 | D1 | D2 | D3 | D4 | D5 | D6 | D7 | EXP2 | EXP3 | PHI2 | SYNC | RWB | BE | RDY | NMIB | IRQB | RESB
